# KiCad board Right.kicad_pcb (continued)
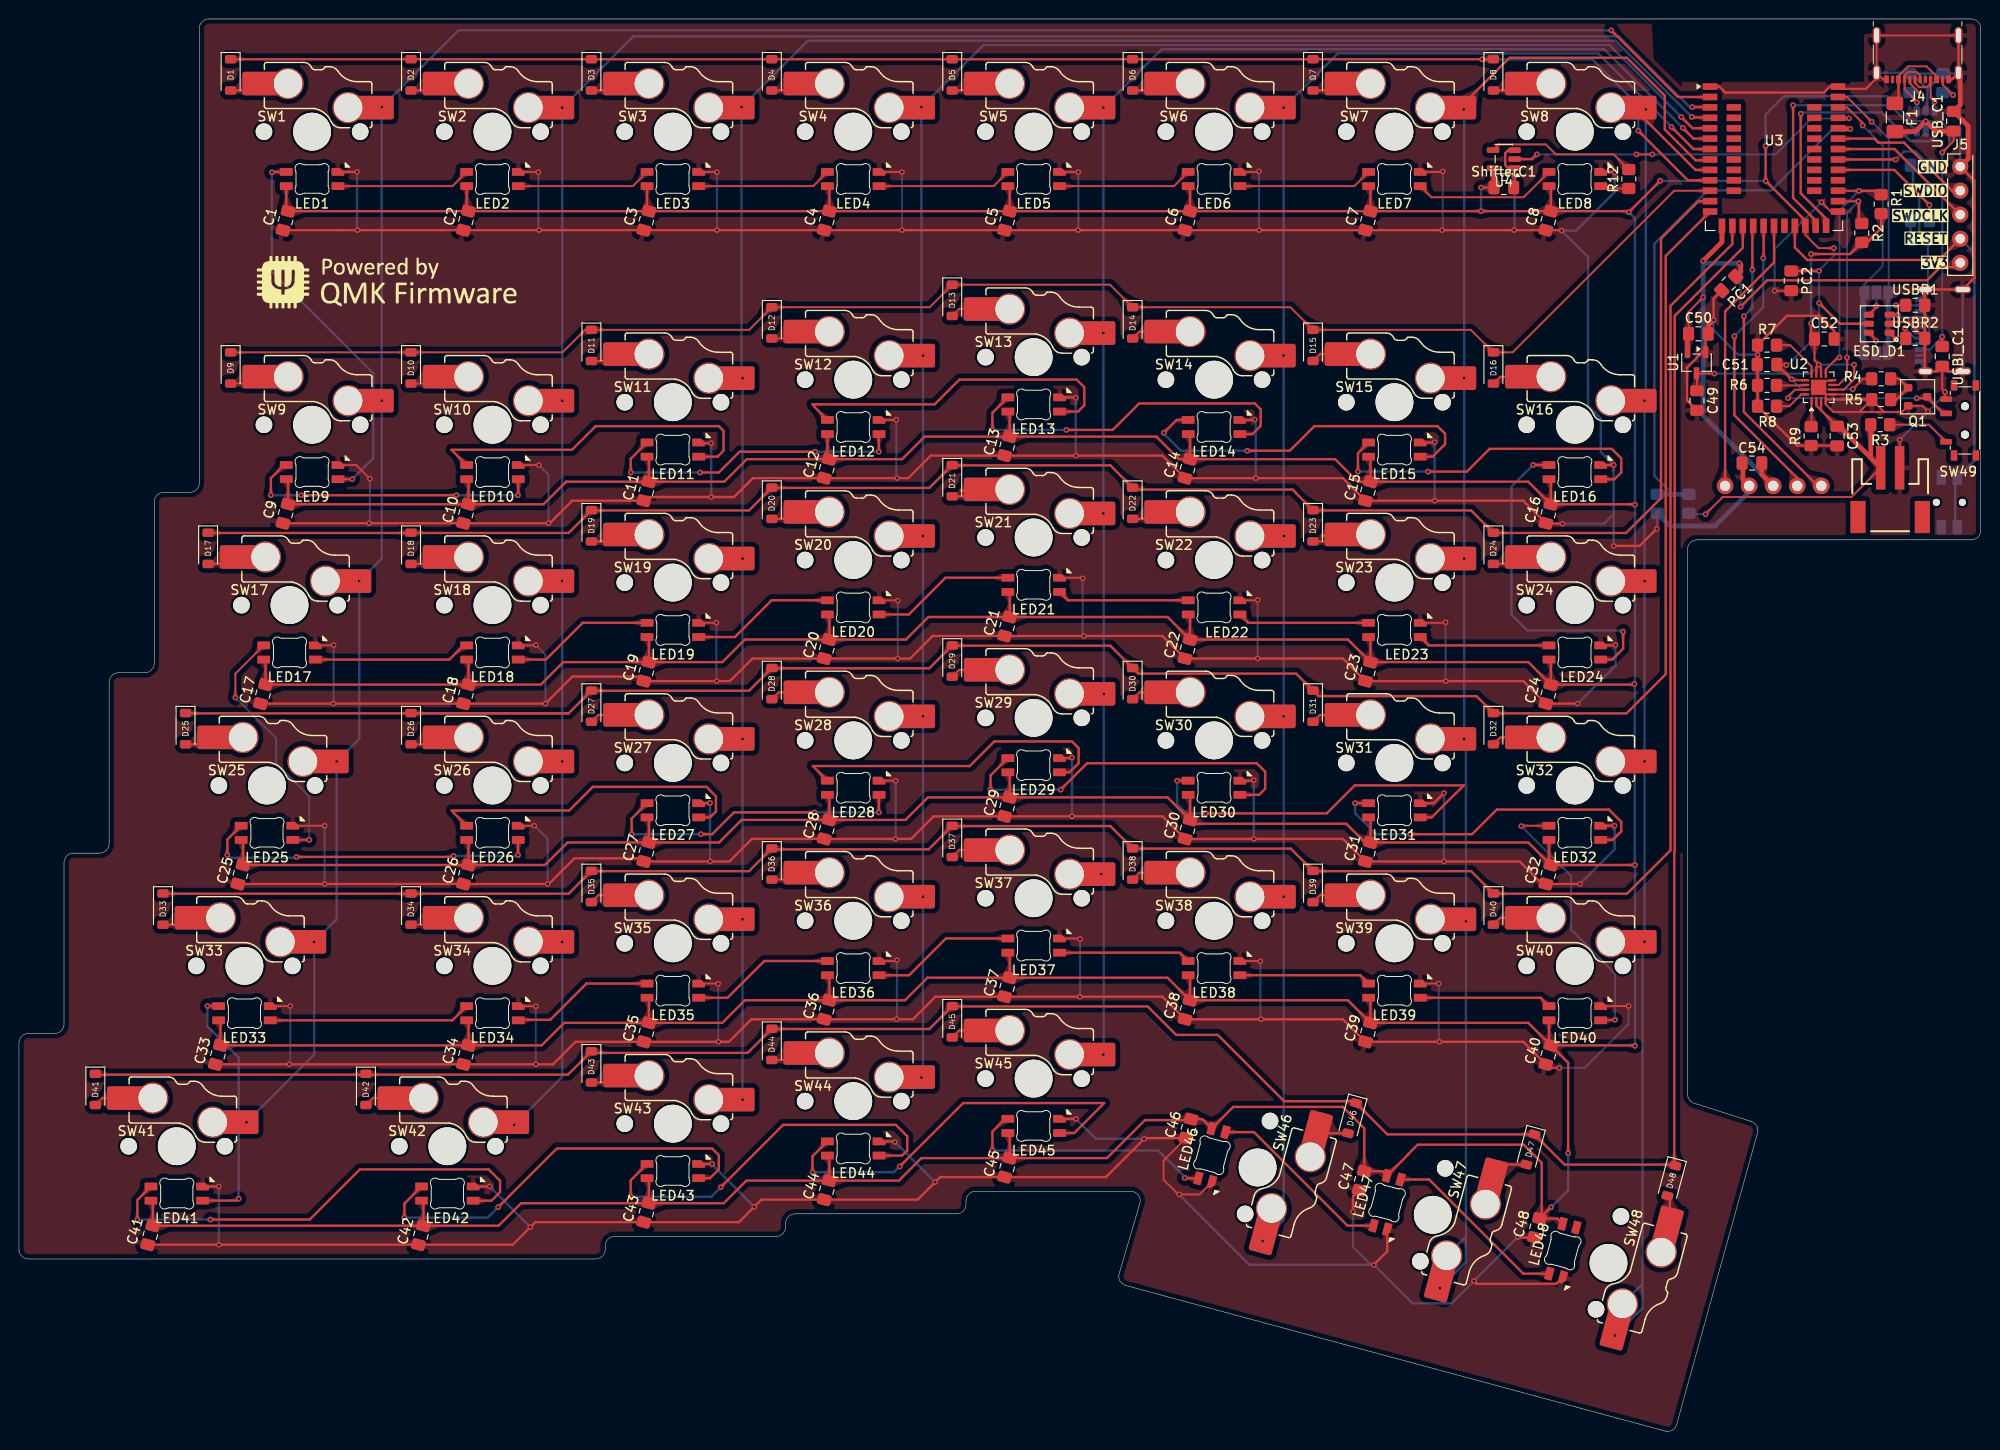
[diagram p0: board, top side]
## Library data of the parts
B_LED1 = -: Description: Blue SMD LED, 0603, Alternate KiCad Library; ki_fp_filters: LED* LED_SMD:* LED_THT:*
C1-C48 C51-C54 ShifterC1 USBI_C1 = -: Description: Unpolarized capacitor; ki_fp_filters: C_*
C49 C50 PC1 PC2 = -: Notes: X7R, 10%; ki_fp_filters: C_*
D1-D48 = -: Description: Diode; Sim.Pins: 1=K 2=A; ki_fp_filters: TO-???* *_Diode_* *SingleDiode* D_*
ESD_D1 ESD_D2 = -: Datasheet: https://www.tme.eu/Document/db59d28d28a96c34f26d05f234ff409c/USBLC6-2.pdf; Description: SOT-23-6 TVS Diode Array, 2 protected lines, positive connection, 5.25V, Alternate KiCAD Library; ki_fp_filters: TO-???* *_Diode_* *SingleDiode* D_*
F1 = -: LCSC: C135341; ki_fp_filters: *polyfuse* *PTC*
G_LED1 = -: Description: Green SMD LED, 0603, Alternate KiCad Library; ki_fp_filters: LED* LED_SMD:* LED_THT:*
J1 J4 = -: Datasheet: https://www.usb.org/sites/default/files/documents/usb_type-c.zip; Description: USB 2.0-only 16P Type-C Receptacle connector; ki_fp_filters: USB*C*Receptacle*
J3 = -: Description: 2 Pin 2mm JST Battery Connector; PROD_ID: CONN-11443; ki_fp_filters: Connector*:*_1x??_*
J5 = -: Description: Male connector, single row; ki_fp_filters: *PinHeader*1x05*
JP1 JP2 = -: Description: Solder Jumper, 3-pole, open; ki_fp_filters: SolderJumper*Open*
LED1-LED48 = -: Description: Reverse mount adressable LED (WS2812 protocol)
OLED1 = -: Datasheet: https://nicekeyboards.com/docs/nice-view/pinout-schematic; Description: Sharp LS011B7DH03 Memory in Pixel 160x68; ki_fp_filters: nice*
Q1 = -: Datasheet: https://www.tme.eu/Document/7df5cae36abdfcedddb681f5be886f05/2N7000.pdf; Description: SOT-23 N-MOSFET enchancement mode transistor, 60V, 115mA, 200mW, Alternate KiCAD Library
R1-R15 R17 USBR1 USBR2 = -: Description: Resistor; ki_fp_filters: R_*
Reset_Btn1 = -: Aliexpress: https://www.aliexpress.com/item/1005005453787620.html?spm=a2g0o.productlist.main.1.11d71ae5j97qJo&algo_pvid=568eff6e-180e-4b37-958c-7c0a3b0f84d9&algo_exp_id=568eff6e-180e-4b37-958c-7c0a3b0f84d9-0&pdp_npi=4%40dis%21BRL%2110.94%219.89%21%21%2113.03%2111.78%21%402103273e17319427737965163e3c62%2112000038111003831%21sea%21BR%214340077984%21X&curPageLogUid=5a6rqzQqwGi2&utparam-url=scene%3Asearch%7Cquery_from%3A; LCSC: C79175
SW1-SW45 SW47 = -: Description: Push button switch, normally open, two pins, 45° tilted
SW49 = -: Description: Switch, single pole double throw
U1 = -: Datasheet: https://www.torexsemi.com/file/xc6206/XC6206.pdf; Description: Positive 60-250mA Low Dropout Regulator, Fixed Output, SOT-23; ki_fp_filters: SOT?23?3*
U2 = -: Datasheet: http://www.ti.com/lit/ds/symlink/bq24075.pdf; Description: USB-Friendly Li-Ion Battery Charger and Power-Path Management, VQFN-16; ki_fp_filters: VQFN*1EP*3x3mm*P0.5mm*
U3 = -: Datasheet: http://www.holyiot.com/tp/2019042516322180424.pdf; Description: nRF52840 BT LE module
U4 = -: Datasheet: https://www.ti.com/lit/ds/symlink/sn74lv1t125.pdf; Description: Single Power Supply, Single Buffer Gate with 3-State Output, CMOS Logic Level Shifter Level Shifter, SOT-23-5; ki_fp_filters: SOT?23*
USB_C1 = -: LCSC: C307331; ki_fp_filters: C_*

## Footprints (pads in the part's own frame, mm; a bottom-side part is the same pattern mirrored in y, then rotated)
C_0805_2012Metric_Pad1.18x1.45mm_HandSolder
  rrect 1.175x1.45 smd: 1(-1.038,0) 2(1.038,0)
D_SOD-123
  rrect 0.9x1.2 smd: 1(-1.65,0) 2(1.65,0)
Fuse_1206_3216Metric_Pad1.42x1.75mm_HandSolder
  rrect 1.425x1.75 smd: 1(-1.488,0) 2(1.488,0)
JST_1x02_P2.0mm_Horizontal_SMD
  rect 1x4.6 smd: 1(-1,-3.7) 2(1,-3.7)
  rect 1.6x3.4 smd: NC1(-3.4,1.5) NC2(3.4,1.5)
LED_0603_1608Metric
  rrect 0.875x0.95 smd: 1(-0.787,0) 2(0.787,0)
LED_MX_6028R-ROT
  rrect 1.35x0.82 smd: 1(-2.725,-0.75) 2(-2.725,0.75) 3(2.725,-0.75) 4(2.725,0.75)
LED_MX_6028R-ROT#2
  rrect 1.35x0.82 smd: 1(-2.725,-0.75) 2(-2.725,0.75) 3(2.725,-0.75) 4(2.725,0.75)
nice_view
  round 1.753 hole 1.092: 1(-5.08,-16.51) 2(-2.54,-16.51) 3(0,-16.51) 4(2.54,-16.51) 5(5.08,-16.51)
nRF52840_holyiot_18010
  rect 1.524x0.7 smd: 1(-6.75,5.7) 2(-6.75,4.6) 3(-6.75,3.5) 4(-6.75,2.4) 5(-6.75,1.3) 6(-6.75,0.2) 7(-6.75,-0.9) 8(-6.75,-2) 9(-6.75,-3.1) 10(-6.75,-4.2) 11(-6.75,-5.3) 12(-6.75,-6.4) 13(-6.75,-7.5) 25(6.75,-7.5) 26(6.75,-6.4) 27(6.75,-5.3) 28(6.75,-4.2) 29(6.75,-3.1) 30(6.75,-2) 31(6.75,-0.9) 32(6.75,0.2) 33(6.75,1.3) 34(6.75,2.4) 35(6.75,3.5) 36(6.75,4.6) 37(6.75,5.7) 38(-4.25,3.5) 39(-4.25,2.4) 40(-4.25,1.3) 41(-4.25,0.2) 42(-4.25,-0.9) 43(-4.25,-2) 44(-4.25,-3.1) 45(-4.25,-4.2) 46(-4.25,-5.3) 47(4.25,3.5) 48(4.25,2.4) 49(4.25,1.3) 50(4.25,0.2) 51(4.25,-0.9) 52(4.25,-2) 53(4.25,-3.1) 54(4.25,-4.2) 55(4.25,-5.3)
  rect 0.7x1.524 smd: 14(-5.5,-9) 15(-4.4,-9) 16(-3.3,-9) 17(-2.2,-9) 18(-1.1,-9) 19(0,-9) 20(1.1,-9) 21(2.2,-9) 22(3.3,-9) 23(4.4,-9) 24(5.5,-9)
Panasonic_EVQPUL_EVQPUC
  round 0.75 hole 0.75 unplated: (0,-1.375) (0,1.375)
  rect 1.55x1 smd: 1(-2.625,0.85) 1(2.625,0.85) 2(-2.625,-0.85) 2(2.625,-0.85)
PinHeader_01x05_P2.54mm_Vertical_THT_D1mm
  round 1.7 hole 1: 1(0,0)
  oval 1.7x1.7 hole 1: 2(0,-2.54) 3(0,-5.08) 4(0,-7.62) 5(0,-10.16)
R_0805_2012Metric_Pad1.20x1.40mm_HandSolder
  rrect 1.2x1.4 smd: 1(-1,0) 2(1,0)
SolderJumper-3_P1.3mm_Open_RoundedPad1.0x1.5mm_NumberLabels
  custom 1.05x1.5 smd: 1(-1.3,0) 3(1.3,0)
  rect 1x1.5 smd: 2(0,0)
SOT-23
  rrect 0.9x0.8 smd: 1(-1,0.95) 2(-1,-0.95) 3(1,0)
SOT-23-3
  rrect 1.325x0.6 smd: 1(-1.137,0.95) 2(-1.137,-0.95) 3(1.137,0)
SOT-23-5
  rrect 1.325x0.6 smd: 1(-1.137,0.95) 2(-1.137,0) 3(-1.137,-0.95) 4(1.137,-0.95) 5(1.137,0.95)
SOT-23-6
  rrect 1.06x0.65 smd: 1(-1.1,0.95) 2(-1.1,0) 3(-1.1,-0.95) 4(1.1,-0.95) 5(1.1,0) 6(1.1,0.95)
SOT-23-6#2
  rrect 1.06x0.65 smd: 1(-1.1,0.95) 2(-1.1,0) 3(-1.1,-0.95) 4(1.1,-0.95) 5(1.1,0) 6(1.1,0.95)
SW_MSK12C02-HB
  round 0.85 hole 0.85 unplated: (-1.5,0) (1.5,0)
  rrect 0.6x1.25 smd: 1(2.25,-2) 2(-0.75,-2) 3(-2.25,-2)
  rrect 1.1x0.7 smd: MP(-3.7,-1.15) MP(-3.7,1.15) MP(3.7,-1.15) MP(3.7,1.15)
SW_MX_HS_KS-2P02B01-01_1.5u
  round 1.75 hole 1.75 unplated: (-5.08,0) (5.08,0)
  round 3.988 hole 3.988 unplated: (0,0)
  round 3.3 hole 3: 1(3.81,2.54) 2(-2.54,5.08)
  rect 1.65x2.5 smd: 1(5.635,2.54) 2(-4.34,5.08)
  rrect 2.55x2.5 smd: 1(7.36,2.54) 2(-6.09,5.08)
SW_MX_HS_KS-2P02B01-01_1.25u
  round 1.75 hole 1.75 unplated: (-5.08,0) (5.08,0)
  round 3.988 hole 3.988 unplated: (0,0)
  round 3.3 hole 3: 1(3.81,2.54) 2(-2.54,5.08)
  rect 1.65x2.5 smd: 1(5.635,2.54) 2(-4.34,5.08)
  rrect 2.55x2.5 smd: 1(7.36,2.54) 2(-6.09,5.08)
SW_MX_HS_KS-2P02B01-01_1.75u
  round 1.75 hole 1.75 unplated: (-5.08,0) (5.08,0)
  round 3.988 hole 3.988 unplated: (0,0)
  round 3.3 hole 3: 1(3.81,2.54) 2(-2.54,5.08)
  rect 1.65x2.5 smd: 1(5.635,2.54) 2(-4.34,5.08)
  rrect 2.55x2.5 smd: 1(7.36,2.54) 2(-6.09,5.08)
SW_MX_HS_KS-2P02B01-01_1u
  round 1.75 hole 1.75 unplated: (-5.08,0) (5.08,0)
  round 3.988 hole 3.988 unplated: (0,0)
  round 3.3 hole 3: 1(3.81,2.54) 2(-2.54,5.08)
  rect 1.65x2.5 smd: 1(5.635,2.54) 2(-4.34,5.08)
  rrect 2.55x2.5 smd: 1(7.36,2.54) 2(-6.09,5.08)
USB_C_Receptacle_HRO_TYPE-C-31-M-23
  rrect 0.52x0.8 smd: A1(-3.28,2.425) A4(-2.01,2.425) A9(2.01,2.425) A12(3.28,2.425) B1(3.28,2.425) B4(2.01,2.425) B9(-2.01,2.425) B12(-3.28,2.425)
  rrect 0.35x0.8 smd: A5(-2.645,2.425) A6(-1.375,2.425) A7(1.375,2.425) A8(2.645,2.425) B5(0.825,2.425) B6(0.275,2.425) B7(-0.275,2.425) B8(-0.825,2.425)
  oval 0.8x1.8 hole 0.5x1.5: S1(-4.325,-2.215) S1(4.325,-2.215)
  oval 0.8x1.6 hole 0.5x1.3: S1(-4.325,1.725) S1(4.325,1.725)
VQFN-16-1EP_3x3mm_P0.5mm_EP1.6x1.6mm
  rrect 0.64x0.64 smd: (-0.4,0.4) (-0.4,-0.4) (0.4,0.4) (0.4,-0.4)
  rrect 0.875x0.25 smd: 1(-1.438,0.75) 2(-1.438,0.25) 3(-1.438,-0.25) 4(-1.438,-0.75) 9(1.438,-0.75) 10(1.438,-0.25) 11(1.438,0.25) 12(1.438,0.75)
  rrect 0.25x0.875 smd: 5(-0.75,-1.438) 6(-0.25,-1.438) 7(0.25,-1.438) 8(0.75,-1.438) 13(0.75,1.438) 14(0.25,1.438) 15(-0.25,1.438) 16(-0.75,1.438)
  rect 1.6x1.6 smd: 17(0,0)

## Nets
+3.3V: C50.1 C54.1 J5.5 OLED1.3 PC1.1 U1.2 U3.14
+5V: C1.2 C2.2 C3.2 C4.2 C5.2 C6.2 C7.2 C8.2 C9.2 C10.2 C11.2 C12.2 C13.2 C14.2 C15.2 C16.2 C17.2 C18.2 C19.2 C20.2 C21.2 C22.2 C23.2 C24.2 C25.2 C26.2 C27.2 C28.2 C29.2 C30.2 C31.2 C32.2 C33.2 C34.2 C35.2 C36.2 C37.2 C38.2 C39.2 C40.2 C41.2 C42.2 C43.2 C44.2 C45.2 C46.2 C47.2 C48.2 C51.1 ESD_D1.5 ESD_D2.5 F1.2 J1.A4 J1.A9 J1.B4 J1.B9 LED1.1 LED2.1 LED3.1 LED4.1 LED5.1 LED6.1 LED7.1 LED8.1 LED9.1 LED10.1 LED11.1 LED12.1 LED13.1 LED14.1 LED15.1 LED16.1 LED17.1 LED18.1 LED19.1 LED20.1 LED21.1 LED22.1 LED23.1 LED24.1 LED25.1 LED26.1 LED27.1 LED28.1 LED29.1 LED30.1 LED31.1 LED32.1 LED33.1 LED34.1 LED35.1 LED36.1 LED37.1 LED38.1 LED39.1 LED40.1 LED41.1 LED42.1 LED43.1 LED44.1 LED45.1 LED46.1 LED47.1 LED48.1 PC2.1 R4.2 ShifterC1.1 U2.13 U3.22 U4.5 USB_C1.1 USBI_C1.1
GND: B_LED1.1 C1.1 C2.1 C3.1 C4.1 C5.1 C6.1 C7.1 C8.1 C9.1 C10.1 C11.1 C12.1 C13.1 C14.1 C15.1 C16.1 C17.1 C18.1 C19.1 C20.1 C21.1 C22.1 C23.1 C24.1 C25.1 C26.1 C27.1 C28.1 C29.1 C30.1 C31.1 C32.1 C33.1 C34.1 C35.1 C36.1 C37.1 C38.1 C39.1 C40.1 C41.1 C42.1 C43.1 C44.1 C45.1 C46.1 C47.1 C48.1 C49.2 C50.2 C51.2 C52.2 C53.2 C54.2 ESD_D1.2 ESD_D2.2 G_LED1.1 J1.A1 J1.A12 J1.B1 J1.B12 J1.S1 J3.1 J4.A1 J4.A12 J4.B1 J4.B12 J4.S1 J5.1 LED1.4 LED2.4 LED3.4 LED4.4 LED5.4 LED6.4 LED7.4 LED8.4 LED9.4 LED10.4 LED11.4 LED12.4 LED13.4 LED14.4 LED15.4 LED16.4 LED17.4 LED18.4 LED19.4 LED20.4 LED21.4 LED22.4 LED23.4 LED24.4 LED25.4 LED26.4 LED27.4 LED28.4 LED29.4 LED30.4 LED31.4 LED32.4 LED33.4 LED34.4 LED35.4 LED36.4 LED37.4 LED38.4 LED39.4 LED40.4 LED41.4 LED42.4 LED43.4 LED44.4 LED45.4 LED46.4 LED47.4 LED48.4 OLED1.4 PC1.2 PC2.2 Q1.2 R5.1 R6.1 R7.1 R8.1 R9.1 R11.2 R13.2 R14.2 Reset_Btn1.2 ShifterC1.2 SW49.3 U1.1 U2.4 U2.5 U2.8 U2.17 U3.1 U3.25 U3.37 U4.1 U4.3 USB_C1.2 USBI_C1.2 USBR1.2 USBR2.2
+BATT: C53.1 J3.2 R3.2 R10.1 U2.2 U2.3
+VSW: C49.1 C52.1 R1.2 R2.2 U1.3 U2.6 U2.10 U2.11
BLUE_LED: R15.1 U3.30
BT_CHG: R1.1 U2.9 U3.27
BT_PGOOD: R2.1 U2.7 U3.26
CS: OLED1.5 U3.19
D+: ESD_D2.4 U3.24
D-: ESD_D2.6 U3.23
GREEN_LED: R17.1 U3.29
LINK+: ESD_D1.4 JP2.2
LINK-: ESD_D1.6 JP1.2
MOSI: OLED1.1 U3.17
R_COL1: SW8.1 SW16.1 SW24.1 SW32.1 SW40.1 SW48.1 U3.9
R_COL2: SW7.1 SW15.1 SW23.1 SW31.1 SW39.1 SW47.1 U3.8
R_COL3: SW6.1 SW14.1 SW22.1 SW30.1 SW38.1 SW46.1 U3.7
R_COL4: SW5.1 SW13.1 SW21.1 SW29.1 SW37.1 SW45.1 U3.6
R_COL5: SW4.1 SW12.1 SW20.1 SW28.1 SW36.1 SW44.1 U3.5
R_COL6: SW3.1 SW11.1 SW19.1 SW27.1 SW35.1 SW43.1 U3.4
R_COL7: SW2.1 SW10.1 SW18.1 SW26.1 SW34.1 SW42.1 U3.3
R_COL8: SW1.1 SW9.1 SW17.1 SW25.1 SW33.1 SW41.1 U3.2
R_LED1: LED8.3 R12.1
R_LED_3v3_1: U3.34 U4.2
R_ROW1: D1.1 D2.1 D3.1 D4.1 D5.1 D6.1 D7.1 D8.1 U3.10
R_ROW2: D9.1 D10.1 D11.1 D12.1 D13.1 D14.1 D15.1 D16.1 U3.11
R_ROW3: D17.1 D18.1 D19.1 D20.1 D21.1 D22.1 D23.1 D24.1 U3.12
R_ROW4: D25.1 D26.1 D27.1 D28.1 D29.1 D30.1 D31.1 D32.1 U3.13
R_ROW5: D33.1 D34.1 D35.1 D36.1 D37.1 D38.1 D39.1 D40.1 U3.15
R_ROW6: D41.1 D42.1 D43.1 D44.1 D45.1 D46.1 D47.1 D48.1 U3.16
RESET: J5.4 Reset_Btn1.1 U3.21
SCK: OLED1.2 U3.18
SWDCLK: J5.3 U3.31
SWDIO: J5.2 U3.32
SYS_OFF: Q1.3 SW49.2 U2.15
USART_RX: JP1.1 JP2.1 U3.36
USART_TX: JP1.3 JP2.3 U3.35
VSENSE: R10.2 R11.1 U3.33
Net-(B_LED1-A): B_LED1.2 R15.2
Net-(D1-A): D1.2 SW1.2
Net-(D2-A): D2.2 SW2.2
Net-(D3-A): D3.2 SW3.2
Net-(D4-A): D4.2 SW4.2
Net-(D5-A): D5.2 SW5.2
Net-(D6-A): D6.2 SW6.2
Net-(D7-A): D7.2 SW7.2
Net-(D8-A): D8.2 SW8.2
Net-(D9-A): D9.2 SW9.2
Net-(D10-A): D10.2 SW10.2
Net-(D11-A): D11.2 SW11.2
Net-(D12-A): D12.2 SW12.2
Net-(D13-A): D13.2 SW13.2
Net-(D14-A): D14.2 SW14.2
Net-(D15-A): D15.2 SW15.2
Net-(D16-A): D16.2 SW16.2
Net-(D17-A): D17.2 SW17.2
Net-(D18-A): D18.2 SW18.2
Net-(D19-A): D19.2 SW19.2
Net-(D20-A): D20.2 SW20.2
Net-(D21-A): D21.2 SW21.2
Net-(D22-A): D22.2 SW22.2
Net-(D23-A): D23.2 SW23.2
Net-(D24-A): D24.2 SW24.2
Net-(D25-A): D25.2 SW25.2
Net-(D26-A): D26.2 SW26.2
Net-(D27-A): D27.2 SW27.2
Net-(D28-A): D28.2 SW28.2
Net-(D29-A): D29.2 SW29.2
Net-(D30-A): D30.2 SW30.2
Net-(D31-A): D31.2 SW31.2
Net-(D32-A): D32.2 SW32.2
Net-(D33-A): D33.2 SW33.2
Net-(D34-A): D34.2 SW34.2
Net-(D35-A): D35.2 SW35.2
Net-(D36-A): D36.2 SW36.2
Net-(D37-A): D37.2 SW37.2
Net-(D38-A): D38.2 SW38.2
Net-(D39-A): D39.2 SW39.2
Net-(D40-A): D40.2 SW40.2
Net-(D41-A): D41.2 SW41.2
Net-(D42-A): D42.2 SW42.2
Net-(D43-A): D43.2 SW43.2
Net-(D44-A): D44.2 SW44.2
Net-(D45-A): D45.2 SW45.2
Net-(D46-A): D46.2 SW46.2
Net-(D47-A): D47.2 SW47.2
Net-(D48-A): D48.2 SW48.2
Net-(ESD_D1-L1-Pad1): ESD_D1.1 J1.A7 J1.B7
Net-(ESD_D1-L2-Pad3): ESD_D1.3 J1.A6 J1.B6
Net-(ESD_D2-L1-Pad1): ESD_D2.1 J4.A7 J4.B7
Net-(ESD_D2-L2-Pad3): ESD_D2.3 J4.A6 J4.B6
Net-(F1-Pad1): F1.1 J4.A4 J4.A9 J4.B4 J4.B9
Net-(G_LED1-A): G_LED1.2 R17.2
Net-(J1-CC1): J1.A5 USBR1.1
Net-(J1-CC2): J1.B5 USBR2.1
Net-(J4-CC1): J4.A5 R13.1
Net-(J4-CC2): J4.B5 R14.1
Net-(LED1-DIN): LED1.3 LED2.2
Net-(LED1-DOUT): LED1.2 LED9.3
Net-(LED2-DIN): LED2.3 LED3.2
Net-(LED3-DIN): LED3.3 LED4.2
Net-(LED4-DIN): LED4.3 LED5.2
Net-(LED5-DIN): LED5.3 LED6.2
Net-(LED6-DIN): LED6.3 LED7.2
Net-(LED7-DIN): LED7.3 LED8.2
Net-(LED10-DIN): LED9.2 LED10.3
Net-(LED10-DOUT): LED10.2 LED11.3
Net-(LED11-DOUT): LED11.2 LED12.3
Net-(LED12-DOUT): LED12.2 LED13.3
Net-(LED13-DOUT): LED13.2 LED14.3
Net-(LED14-DOUT): LED14.2 LED15.3
Net-(LED15-DOUT): LED15.2 LED16.3
Net-(LED16-DOUT): LED16.2 LED24.3
Net-(LED17-DIN): LED17.3 LED18.2
Net-(LED17-DOUT): LED17.2 LED25.3
Net-(LED18-DIN): LED18.3 LED19.2
Net-(LED19-DIN): LED19.3 LED20.2
Net-(LED20-DIN): LED20.3 LED21.2
Net-(LED21-DIN): LED21.3 LED22.2
Net-(LED22-DIN): LED22.3 LED23.2
Net-(LED23-DIN): LED23.3 LED24.2
Net-(LED25-DOUT): LED25.2 LED26.3
Net-(LED26-DOUT): LED26.2 LED27.3
Net-(LED27-DOUT): LED27.2 LED28.3
Net-(LED28-DOUT): LED28.2 LED29.3
Net-(LED29-DOUT): LED29.2 LED30.3
Net-(LED30-DOUT): LED30.2 LED31.3
Net-(LED31-DOUT): LED31.2 LED32.3
Net-(LED32-DOUT): LED32.2 LED40.3
Net-(LED33-DIN): LED33.3 LED34.2
Net-(LED33-DOUT): LED33.2 LED41.3
Net-(LED34-DIN): LED34.3 LED35.2
Net-(LED35-DIN): LED35.3 LED36.2
Net-(LED36-DIN): LED36.3 LED37.2
Net-(LED37-DIN): LED37.3 LED38.2
Net-(LED38-DIN): LED38.3 LED39.2
Net-(LED39-DIN): LED39.3 LED40.2
Net-(LED41-DOUT): LED41.2 LED42.3
Net-(LED42-DOUT): LED42.2 LED43.3
Net-(LED43-DOUT): LED43.2 LED44.3
Net-(LED44-DOUT): LED44.2 LED45.3
Net-(LED45-DOUT): LED45.2 LED46.3
Net-(LED46-DOUT): LED46.2 LED47.3
Net-(LED47-DOUT): LED47.2 LED48.3
Net-(Q1-G): Q1.1 R4.1 R5.2
Net-(SW49-A): R3.1 SW49.1
Net-(U2-ILIM): R7.2 U2.12
Net-(U2-ISET): R8.2 U2.16
Net-(U2-TMR): R6.2 U2.14
Net-(U2-TS): R9.2 U2.1
Net-(U4-Y): R12.2 U4.4

Pads without a net: J1 A8 B8; J3 NC1 NC2; J4 A8 B8; LED48 2; SW49 MP; U3 20 28 38 39 40 41 42 43 44 45 46 47 48 49 50 51 52 53 54 55

## Via types
v1: diameter 0.6, hole 0.3, Top to Bottom, 272 vias

## Routing (per net, layer and track width the routed paths; a pad name or vN(x,y) marks a point on that pad's centre or on a via; arc(x,y) is an arc through that point)
+3.3V: length 76.2
  Top w0.2: C50.1 176.32,118.2 v1(177.86,119.74)
  Top w0.25: J5.5 204.56,122.94 202.91,122.94 201.51,121.54 184.61,121.54 v1(181.81,118.74)
  Top w0.5: U3.14 179.84,125.58 v1(177.86,123.59) ; OLED1.3 184.04,101.04 C54.1 ; U1.2 176.21,115.78 C50.1 ; v1(181.68,123.34) 181.83,123.19 181.83,122.47 PC1.1
  Bottom w0.2: 177.81,123.54 v1(177.86,123.59) ; 185.26,99.84 OLED1.3
  Bottom w0.25: v1(181.81,118.74) 181.81,123.17 181.68,123.29 v1(181.68,123.34)
  Bottom w0.5: 185.26,99.84 177.86,107.24 v1(177.86,119.74) v1(177.86,123.59) 178.11,123.34 v1(181.68,123.34)
+5V: length 1293.2
  Top w0.2: 155.36,133.39 U4.5 ; R4.2 194.76,111.14 v1(193.66,110.04) ; C51.1 186.61,112.64 v1(186.66,112.59) ; C51.1 187.29,110.99 ; C51.1 v1(187.2,111.08) 187.29,110.99 ; v1(203.11,135.04) 204.31,136.24 USB_C1.1 ; 187.29,110.99 U2.13 ; U3.22 188.64,126.34 190.04,124.94 v1(191.66,124.94)
  Top w0.25: C23.2 140.34,83.6 C22.2 ; C23.2 142.72,83.67 LED23.1 ; C23.2 159.39,81.22 C24.2 ; C19.2 74.28,81.22 76.66,83.6 C20.2 ; C19.2 57.48,81.22 55.1,78.84 C18.2 ; C19.2 66.52,83.67 LED19.1 ; v1(190.11,122.54) 190.09,122.53 PC2.1 ; C34.2 55.2,40.74 57.58,43.12 C35.2 ; C34.2 47.47,43.19 LED34.1 ; C34.2 C33.2 21.28,43.19 LED33.1 ; C15.2 141.38,100.27 139,102.65 C14.2 ; C15.2 159.39,100.27 C16.2 ; C15.2 142.72,102.72 LED15.1 ; C39.2 140.34,45.5 C38.2 ; C39.2 159.39,43.12 C40.2 ; C39.2 142.72,45.57 LED39.1 ; C42.2 42.71,24.14 LED42.1 ; C42.2 C41.2 14.14,24.14 LED41.1 ; C42.2 50.65,21.69 53.03,24.07 C43.2 ; LED38.1 123.67,47.95 C38.2 ; LED3.1 66.33,129.04 C3.2 ; C22.2 123.67,86.05 LED22.1 ; C22.2 121.29,85.98 C21.2 ; LED29.1 104.62,69.39 C29.2 ; C31.2 142.72,64.62 LED31.1 ; C31.2 159.39,62.17 C32.2 ; C31.2 142.15,62.17 140.18,64.14 124.08,64.14 C30.2 ; LED12.1 85.38,103.07 85.57,102.87 C12.2 ; 123.6,32.94 C46.2 124.98,32.94 LED46.1 128.23,34.24 139.81,34.24 142.07,31.97 C47.2 143.98,27.44 LED47.1 146.74,29.24 146.74,29.27 147.71,30.24 158.91,30.24 160.81,28.34 160.81,22.67 C48.2 ; LED48.1 162.46,22.44 C48.2 ; LED4.1 85.57,131.3 C4.2 ; C35.2 74.28,43.12 76.66,45.5 C36.2 ; C35.2 66.52,45.57 LED35.1 ; C16.2 170.61,97.89 v1(170.66,97.84) ; C16.2 161.77,100.34 LED16.1 ; ShifterC1.1 v1(154.41,131.34) ; C36.2 85.57,47.95 LED36.1 ; C36.2 93.56,45.5 95.95,47.88 C37.2 ; C28.2 93.61,64.55 96,66.93 C29.2 ; C28.2 76.31,64.55 73.93,62.17 C27.2 ; C28.2 85.57,67 LED28.1 ; C45.2 114.9,28.83 118.9,32.84 123.54,32.84 ; C45.2 104.62,31.29 LED45.1 ; C45.2 95.3,28.83 92.91,26.45 C44.2 ; C44.2 85.57,28.9 LED44.1 ; C44.2 76.81,26.45 74.43,24.07 C43.2 ; v1(184.46,135.74) v1(184.46,132.04) 188.64,127.85 U3.22 188.81,127.14 ; LED43.1 66.52,26.52 C43.2 ; C10.2 47.47,100.34 LED10.1 ; C10.2 C9.2 28.42,100.34 LED9.1 ; C10.2 55.4,97.89 57.78,100.27 C11.2 ; C27.2 66.52,64.62 LED27.1 ; C27.2 57.93,62.17 55.55,59.79 C26.2 ; LED18.1 47.47,81.29 C18.2 ; LED24.1 161.77,81.29 C24.2 ; C18.2 C17.2 26.04,81.29 LED17.1 ; C21.2 104.62,88.44 LED21.1 ; C21.2 96.05,85.98 93.66,83.6 C20.2 ; v1(170.66,59.79) 170.41,59.79 170.4,59.79 C32.2 ; v1(170.61,78.89) 170.55,78.84 C24.2 ; C12.2 76.86,102.65 74.48,100.27 C11.2 ; C12.2 93.26,102.65 95.65,105.03 C13.2 ; C38.2 121.29,47.88 C37.2 ; C2.2 47.28,129.04 LED2.1 ; C11.2 66.52,102.72 LED11.1 ; LED40.1 161.58,40.93 C40.2 ; C30.2 123.67,67 LED30.1 ; C30.2 121.29,66.93 C29.2 ; C40.2 163.61,38.91 v1(163.61,29.34) ; C40.2 170.61,40.74 v1(170.66,40.69) ; USBI_C1.1 v1(203.11,115.59) ; v1(190.11,119.14) 192.29,116.95 ESD_D1.5 ; C48.2 161.77,23.64 v1(161.81,23.64) ; C8.2 161.77,131.3 LED8.1 ; C8.2 169.9,128.84 v1(170.01,128.74) v1(173.33,132.07) ; C8.2 v1(154.41,128.84) C1.2 28.23,129.04 LED1.1 ; C26.2 C25.2 23.66,62.24 LED25.1 ; C26.2 47.47,62.24 LED26.1 ; LED20.1 85.57,86.05 C20.2 ; C37.2 104.62,50.34 LED37.1 ; C6.2 123.67,131.3 LED6.1 ; C5.2 104.62,131.3 LED5.1 ; C13.2 120.12,105.03 122.5,102.65 C14.2 ; C13.2 104.62,107.49 ; C14.2 123.67,105.1 LED14.1 ; C32.2 161.58,59.98 LED32.1 ; LED7.1 142.72,131.3 C7.2
  Top w0.5: U4.5 155.77,133.29 ShifterC1.1 ; USB_C1.1 202.39,137.3 v1(201.36,138.34) 200.27,137.25 F1.2
  Bottom w0.2: 187.29,110.99 188.24,110.04 v1(193.66,110.04) ; v1(191.66,124.94) 191.66,124.14 190.11,122.59 v1(190.11,122.54) v1(190.11,119.14) 190.11,115.94 186.76,112.59 v1(186.66,112.59) ; ESD_D2.5 v1(201.36,138.34) 202.96,138.34 203.86,137.44 203.86,135.79 v1(203.11,135.04) v1(203.11,115.59) 203.11,115.54 201.81,114.24 J1.A9 200.96,114.24 201.73,115.01 201.73,117.56 201.03,118.26 J1.A4
  Bottom w0.25: v1(161.81,23.64) 163.61,25.44 v1(163.61,29.34) ; v1(170.66,40.69) v1(170.66,59.79) 170.66,60 170.64,60.02 170.64,78.86 v1(170.61,78.89) 170.66,78.94 v1(170.66,97.84) 170.66,128.09 v1(170.01,128.74) ; v1(184.46,132.04) 173.56,132.04 173.53,132.07 v1(173.33,132.07) ; v1(201.36,138.34) 199.94,138.34 197.29,140.99 186.41,140.99 184.46,139.04 v1(184.46,135.74) ; v1(154.41,131.34) v1(154.41,128.84)
GND: length 1610.8
  Top w0.2: v1(54.58,83.02) 54.55,82.98 LED18.4 ; LED40.4 168.83,44.88 168.83,44.89 v1(169.98,44.89) ; R5.1 194.36,107.64 ; R5.1 190.94,108.94 U2.4 ; R5.1 195.76,108.94 ; R5.1 196.96,107.64 ; R5.1 193.56,108.94 ; 194.36,107.64 196.96,107.64 ; 194.36,107.64 191.61,107.64 190.81,108.44 U2.4 ; LED12.4 92.64,106.8 v1(92.66,106.82) ; v1(185.41,120.44) 187.14,120.44 PC2.2 ; v1(54.91,102.02) 54.89,102.03 LED10.4 ; v1(73.71,132.97) 73.68,132.99 LED3.4 ; v1(130.81,87.79) 130.76,87.75 LED22.4 ; 157.84,133.29 U4.1 157.94,131.44 ShifterC1.2 ; C40.1 161.6,38.37 v1(162.68,38.37) ; v1(112.06,51.97) 111.99,52.03 LED37.4 ; 196.96,107.64 198.86,107.64 Q1.2 201.01,108.29 v1(201.61,107.69) ; v1(92.58,68.69) 92.57,68.7 LED28.4 ; LED5.4 111.86,132.99 v1(111.88,132.97) ; 193.56,108.94 193.01,109.49 U2.5 190.81,109.49 ; 193.56,108.94 192.04,108.94 ; 147.98,132.99 150.31,132.99 v1(150.36,133.04) ; 198.83,103.04 199.03,102.84 ; SW49.3 203.41,109.09 v1(203.41,109.74) 203.11,110.04 USBI_C1.2 ; 147.98,47.27 v1(149.93,47.27) ; LED19.4 73.63,85.37 v1(73.66,85.39) ; J4.S1 J4.S1 J4.S1 196.88,142.76 J4.A12 ; LED21.4 112.27,90.13 v1(112.33,90.07) ; LED20.4 92.78,87.75 v1(92.81,87.72) ; LED2.4 54.83,132.99 v1(54.86,132.97) ; LED26.4 54.43,63.93 v1(54.43,63.94) ; U2.4 190.81,109.49 ; v1(32.28,63.94) 32.27,63.93 LED25.4 ; LED4.4 93.23,132.99 v1(93.26,132.97) ; v1(190.36,129.79) 191.34,128.8 U3.25 ; LED34.4 54.56,44.88 v1(54.58,44.87) ; 190.81,109.49 U2.17 190.73,110.92 191.42,110.92 U2.8 ; v1(198.61,104.69) J3.1 ; v1(33.23,83.02) 33.2,82.98 LED17.4 ; 147.98,85.37 150.61,85.37 v1(150.66,85.42) ; v1(73.86,47.24) 73.83,47.27 LED35.4 ; LED36.4 92.61,49.65 v1(92.71,49.74) ; C46.1 120.88,28.58 120.88,26.54 122.43,24.99 124.68,24.99 LED46.4 ; v1(130.96,133.04) 130.91,132.99 LED6.4 ; LED38.4 131.08,49.65 v1(131.11,49.62) ; v1(28.66,44.89) 28.65,44.88 LED33.4 ; v1(37.06,100.59) 35.61,102.03 LED9.4 ; 31.19,63.94 31.19,63.93
  Top w0.25: v1(158.27,20.48) 158.31,20.44 C48.1 ; USBR2.2 201.26,112 J1.S1 202.57,111.93 USBI_C1.2 203.64,111.93 J1.S1 ; USBR2.2 199.52,117.14 197.74,117.14 ESD_D1.2 ; USBR2.2 USBR1.2 201.26,120.5 J1.S1 J1.S1 206.51,121.81 206.51,132.05 J5.1 ; v1(143.08,17.57) 144.5,18.98 LED47.4 ; v1(172.96,95.29) 171.16,93.49 v1(168.41,93.49) ; J4.S1 J4.S1 204.13,142.76 J4.A1 ; 128.81,132.84 128.68,132.97 128.68,132.99 ; v1(73.11,104.34) 72.16,104.34 72.08,104.42 LED11.4 ; 192.01,104.29 192.06,104.34 ; v1(162.91,126.79) 162.86,126.84 C8.1 v1(157.91,126.84) v1(150.31,126.84) v1(130.98,126.84) v1(111.86,126.84) v1(93.26,126.84) v1(73.71,126.84) v1(54.93,126.84) v1(35.76,126.84) C1.1 ; v1(130.51,106.84) 130.46,106.8 LED14.4 ; C46.1 118.9,30.94 v1(118.83,30.87) 114.79,26.83 C45.1 97.32,26.83 97.31,26.84 v1(96.76,26.29) 94.91,24.45 C44.1 78.41,24.45 v1(77.66,23.69) 76.03,22.06 C43.1 54.53,22.06 v1(54.01,21.54) 52.15,19.68 C42.1 v1(21.11,19.68) C41.1 ; v1(111.21,71.14) 111.14,71.08 LED29.4 ; 52.68,132.99 52.68,132.97 52.81,132.84 ; v1(149.51,104.44) 149.48,104.42 147.98,104.42 ; C50.2 178.11,115.6 U1.1 177.81,113.98 176.16,112.33 176.16,108.85 C49.2 ; v1(21.11,25.84) 21.1,25.83 LED41.4 ; C47.1 140.88,24.78 v1(140.88,23.17) ; 147.98,66.32 149.41,66.32 v1(150.48,67.39) ; v1(92.51,30.54) 92.45,30.6 LED44.4 ; LED24.4 168.55,82.98 v1(168.61,83.04) ; v1(164.6,76.83) C24.1 158.86,79.21 v1(150.68,79.21) C23.1 139.81,81.6 v1(130.81,81.6) C22.1 120.76,83.98 v1(112.46,83.98) C21.1 96.49,83.98 94.11,81.6 v1(92.81,81.6) C20.1 77.46,81.6 75.08,79.21 v1(73.68,79.21) C19.1 65.51,79.69 58.46,79.69 v1(55.6,76.83) C18.1 v1(33.21,76.83) C17.1 ; v1(49.71,25.84) 49.7,25.83 LED42.4 ; 147.68,132.99 147.68,132.97 147.81,132.84 ; U3.1 179.57,142 180.21,141.37 190.61,141.37 191.24,142 U3.37 192.33,141.77 195.05,141.77 196.18,142.9 J4.S1 ; 109.81,132.84 109.68,132.97 109.68,132.99 ; U4.3 157.28,135.29 156.96,134.97 156.96,133.72 157.28,133.39 U4.1 ; v1(163.01,95.84) 161.28,95.84 C16.1 158.86,98.26 v1(149.51,98.26) C15.1 139.81,100.65 v1(130.61,100.65) C14.1 120.76,103.03 v1(111.61,103.03) C13.1 96.29,103.03 93.91,100.65 v1(92.73,100.65) C12.1 77.51,100.65 75.52,98.65 v1(73.11,98.65) 66.38,98.65 C11.1 58.43,98.26 56.05,95.88 v1(55.93,95.88) C10.1 v1(36.98,95.88) C9.1 ; LED27.4 72.96,66.32 v1(72.98,66.34) ; LED48.4 162.37,15.56 153.94,15.56 v1(153.64,15.85) ; C52.2 191.69,116.18 190.08,117.79 186.71,117.79 R7.1 v1(183.61,113.69) R8.1 187.76,104.09 R9.1 191.97,104.09 C53.2 ; v1(130.41,68.74) 130.36,68.7 LED30.4 ; v1(178.96,117.34) 178.96,119.59 PC1.2 ; v1(111.63,32.97) 111.62,32.98 LED45.4 ; v1(164.85,57.78) C32.1 160.86,57.78 158.48,60.16 v1(150.48,60.16) C31.1 139.81,62.55 v1(130.41,62.55) C30.1 120.76,64.93 v1(111.21,64.93) C29.1 96.59,64.93 94.21,62.55 v1(92.56,62.55) C28.1 77.41,62.55 75.03,60.16 v1(73.01,60.16) C27.1 65.66,60.49 58.66,60.49 55.95,57.78 v1(55.83,57.78) C26.1 v1(32.28,57.78) C25.1 ; v1(111.61,109.14) 111.57,109.18 LED13.4 ; v1(168.41,102.04) 168.4,102.03 LED16.4 ; v1(73.21,28.22) LED43.4 ; 90.68,132.99 90.68,132.97 90.81,132.84 ; 33.81,132.84 33.68,132.97 LED1.4 35.68,132.99 v1(35.71,133.02) ; LED32.4 168.5,63.93 v1(168.51,63.94) ; 71.68,132.99 71.68,132.97 71.81,132.84 ; v1(168.51,132.94) 168.46,132.99 LED8.4 166.96,132.99 166.81,132.84 ; C40.1 158.86,41.11 v1(150.01,41.11) C39.1 139.81,43.5 v1(131.18,43.5) C38.1 120.76,45.88 v1(112.03,45.88) C37.1 96.79,45.88 94.41,43.5 v1(92.68,43.5) C36.1 77.36,43.5 74.98,41.11 v1(73.88,41.11) C35.1 58.78,41.11 56.4,38.73 v1(54.58,38.73) C34.1 v1(28.56,38.73) C33.1
  Top w0.5: OLED1.4 182.06,100.49 182.06,102.15 C54.2 ; v1(178.96,117.34) 178.39,116.78 C50.2 ; J5.1 205.86,134.4 205.86,137.83 USB_C1.2 205.01,140.08 205.01,143.28 J4.S1 ; PC1.2 179.72,120.46
  Bottom w0.2: v1(190.36,129.79) 185.41,124.84 v1(185.41,120.44) ; 200.68,126.55 G_LED1.1 201.59,120.84 J1.S1 201.33,120.23 J1.A1 ; v1(150.01,41.11) 149.93,41.19 v1(149.93,47.27) ; v1(198.61,104.69) v1(201.61,107.69) 203.41,109.49 v1(203.41,109.74) ; v1(92.66,106.82) 92.66,100.72 v1(92.73,100.65) ; v1(28.66,44.89) 28.66,38.83 v1(28.56,38.73) ; v1(112.46,83.98) 112.33,84.1 v1(112.33,90.07) ; v1(73.71,132.97) v1(73.71,126.84) ; v1(169.98,44.89) 169.98,42.99 165.36,38.37 v1(162.68,38.37) ; v1(73.68,79.21) 73.66,79.24 v1(73.66,85.39) ; v1(33.21,76.83) 33.23,76.86 v1(33.23,83.02) ; v1(131.18,43.5) 131.11,43.57 v1(131.11,49.62) ; v1(130.81,87.79) v1(130.81,81.6) ; v1(112.06,51.97) 112.06,45.9 v1(112.03,45.88) ; v1(92.68,43.5) 92.71,43.52 v1(92.71,49.74) ; v1(73.88,41.11) 73.86,41.14 v1(73.86,47.24) ; v1(55.6,76.83) 55.6,82 v1(54.58,83.02) ; v1(55.93,95.88) 55.93,100.99 v1(54.91,102.02) ; v1(54.58,44.87) v1(54.58,38.73) ; v1(111.88,132.97) 111.88,126.86 v1(111.86,126.84) ; v1(92.81,87.72) v1(92.81,81.6) ; v1(150.31,126.84) 150.36,126.89 v1(150.36,133.04) ; v1(36.98,95.88) 37.06,95.96 v1(37.06,100.59) ; v1(55.83,57.78) 55.83,62.54 v1(54.43,63.94) ; v1(92.56,62.55) 92.58,62.57 v1(92.58,68.69) ; v1(130.98,126.84) 130.96,126.86 v1(130.96,133.04) ; v1(32.28,57.78) v1(32.28,63.94) ; v1(150.66,85.42) 150.66,79.24 v1(150.68,79.21) ; v1(54.86,132.97) 54.86,126.91 v1(54.93,126.84) ; v1(93.26,132.97) v1(93.26,126.84)
  Bottom w0.25: R13.2 204.73,143.37 J4.S1 205.01,143.28 J5.1 ; R13.2 201.53,141.74 ; R13.2 R14.2 ; v1(178.96,117.34) 178.96,116.29 181.56,113.69 v1(183.61,113.69) ; v1(149.51,104.44) v1(149.51,98.26) ; R11.2 173.01,95.34 v1(172.96,95.29) ; v1(111.21,71.14) v1(111.21,64.93) ; ESD_D2.2 201.53,139.62 201.53,141.74 ; v1(118.83,30.87) 113.73,30.87 v1(111.63,32.97) ; R14.2 199.53,143.37 199.43,143.46 J4.S1 196.27,143.37 ; R14.2 199.91,143.37 201.53,141.74 ; v1(143.08,17.57) 142.76,17.57 140.88,19.44 v1(140.88,23.17) ; v1(143.08,17.57) 129.93,17.57 122.53,24.97 v1(122.53,24.99) ; v1(143.08,17.57) 147.16,13.49 151.31,13.49 153.47,15.65 153.47,15.68 v1(153.64,15.85) v1(158.27,20.48) ; v1(168.41,93.49) 168.41,96.84 ; 168.41,96.84 v1(168.41,102.04) 167.06,103.39 167.06,106.94 165.71,108.29 165.71,123.99 v1(162.91,126.79) 164.46,126.79 168.51,130.84 v1(168.51,132.94) ; 168.41,96.84 167.41,95.84 v1(163.01,95.84) ; J1.A12 201.33,112.27 J1.S1 J1.S1 J1.S1 ; v1(73.21,28.22) 73.23,28.24 73.23,28.12 v1(77.66,23.69) ; v1(157.94,132.54) 157.94,126.88 v1(157.91,126.84) ; v1(35.71,133.02) 35.71,126.89 v1(35.76,126.84) ; v1(164.85,57.78) 168.51,61.44 v1(168.51,63.94) ; v1(150.48,67.39) v1(150.48,60.16) ; B_LED1.1 200.68,130.43 200.68,126.55 ; v1(73.11,104.34) v1(73.11,98.65) ; v1(130.41,68.74) v1(130.41,62.55) ; v1(49.71,25.84) v1(54.01,21.54) ; v1(130.51,106.84) 130.61,106.74 v1(130.61,100.65) ; v1(21.11,25.84) v1(21.11,19.68) ; v1(168.61,83.04) 168.61,80.84 v1(164.6,76.83) ; v1(72.98,66.34) 72.98,60.19 v1(73.01,60.16) ; v1(96.76,26.29) v1(92.51,30.54) ; v1(111.61,109.14) v1(111.61,103.03)
  Bottom w0.5: OLED1.4 182.72,99.2 179.11,95.59 174.36,95.59 R11.2
+BATT: length 38.4
  Top w0.2: 196.61,103.34 J3.2 193.52,98.65 179.92,98.65 v1(178.11,96.84) ; C53.1 192.22,106.13
  Top w0.25: U2.3 190.31,107.83 ; 190.31,107.83 C53.1 ; 190.31,107.83 189.81,108.33 U2.2
  Top w0.5: 195.56,102.79 J3.2 ; 195.56,102.79 R3.2 ; 195.56,102.79 192.22,106.13
  Bottom w0.2: v1(178.11,96.84) 176.46,96.84 R10.1
+VSW: length 48.8
  Top w0.2: U2.10 190.31,112.39 v1(190.06,112.64) ; C49.1 177.21,111.65 U1.3 177.17,111.69 v1(179.06,111.69) ; v1(193.81,112.64) 193.81,111.09 192.71,109.99 U2.6 ; v1(190.06,112.64) 189.62,113.08 C52.1 ; v1(190.06,112.64) 189.81,112.39 U2.11 ; v1(190.06,112.64) 190.11,112.69 ; 189.66,115.34 C52.1 ; C52.1 189.81,115.15 ; C52.1 189.62,115.88
  Top w0.25: R1.2 196.66,127.04 195.16,125.54 R2.2 193.38,124.32 v1(189.26,124.32) ; 189.62,115.63 C52.1 189.26,115.7 v1(189.26,116.99)
  Bottom w0.2: v1(179.06,111.69) 189.16,111.69 190.01,112.54 190.01,112.69 v1(190.06,112.64) v1(193.81,112.64)
  Bottom w0.25: v1(189.26,124.32) v1(189.26,116.99)
BLUE_LED: length 10.6
  Top w0.25: v1(198.21,134.29) 198.19,134.3 U3.30
  Bottom w0.25: v1(198.21,134.29) 199.06,135.14 200.31,135.14 R15.1
BT_CHG: length 25.7
  Top w0.2: v1(194.31,130.99) 193.26,130.99 193.24,131 U3.27 ; 190.81,111.74 U2.9 190.81,112.14 192.06,113.39 v1(192.26,113.39)
  Top w0.25: R1.1 196.31,130.59 195.91,130.99 v1(194.31,130.99)
  Bottom w0.2: v1(194.31,130.99) 192.26,128.94 v1(192.26,113.39)
BT_PGOOD: length 25.6
  Top w0.2: v1(193.06,113.39) 193.06,111.39 192.16,110.49 U2.7 ; U3.26 192.11,129.89 v1(194.26,129.89)
  Top w0.25: R2.1 194.31,127.84 194.31,129.84 v1(194.26,129.89)
  Bottom w0.2: v1(193.06,113.39) 193.06,128.69 v1(194.26,129.89)
CS: length 29.6
  Top w0.25: OLED1.5 180.18,118.26 185.34,123.43 U3.19
D+: length 29.1
  Top w0.25: v1(188.16,139.14) 188.16,130.73 190.84,128.05 U3.24
  Bottom w0.25: v1(188.16,139.14) 188.28,139.27 196.73,139.27 199.76,136.24 201.84,136.24 202.31,136.71 ESD_D2.4
D-: length 27.9
  Top w0.25: v1(187.36,140.04) 187.36,130.24 189.74,127.85 U3.23
  Bottom w0.25: ESD_D2.6 197.61,140.04 v1(187.36,140.04)
GREEN_LED: length 12.9
  Top w0.25: U3.29 198.04,133.2 v1(201.76,129.49)
  Bottom w0.25: v1(201.76,129.49) R17.1
LINK+: length 2.7
  Top w0.2: ESD_D1.4 196.16,118.7 v1(196.16,118.84)
  Bottom w0.2: v1(196.16,118.84) JP2.2
LINK-: length 2.5
  Top w0.2: ESD_D1.6 196.11,115.25 v1(196.11,115.14)
  Bottom w0.2: v1(196.11,115.14) JP1.2
MOSI: length 31.5
  Top w0.25: U3.17 183.06,127.22 v1(183.06,122.64) ; v1(182.16,117.74) 182.16,107.64 189.97,99.83 OLED1.1
  Bottom w0.25: v1(183.06,122.64) 183.06,118.64 v1(182.16,117.74)
R_COL1: length 146.1
  Top w0.25: v1(171.81,139.59) 171.67,139.73 SW8.1 171.67,138.58 177.04,133.2 U3.9 ; SW8.1 171.35,139.78 ; v1(168.56,10.09) 168.47,10 SW48.1
  Bottom w0.25: v1(168.56,10.09) 171.45,12.99 171.45,15.55 ; 171.45,15.55 SW48.1 ; 171.45,15.55 171.45,51.46 v1(171.67,51.67) v1(171.67,70.72) v1(171.67,89.77) v1(171.67,108.82) 171.81,108.96 v1(171.81,139.59) 171.81,139.57
R_COL2: length 164.5
  Top w0.25: v1(152.56,139.59) 152.62,139.65 SW7.1 152.62,140.25 157.41,145.04 169.81,145.04 173.81,141.04 173.81,137.47 177.06,134.22 178.56,134.22 178.59,134.25 U3.8 ; SW47.1 150.04,15.07 v1(150.06,15.09) ; v1(152.81,53.84) 152.62,54.03 SW39.1
  Bottom w0.25: 152.81,20.54 v1(152.81,53.84) 152.81,72.92 v1(152.62,73.11) v1(152.62,92.16) v1(152.62,111.21) 152.62,139.53 v1(152.56,139.59) 152.56,139.64 ; 152.81,20.54 152.81,17.84 v1(150.06,15.09) ; 152.81,20.54 SW47.1
R_COL3: length 174.1
  Top w0.25: SW14.1 133.56,113.59 v1(133.56,113.59) ; v1(174.51,137.74) 176.84,135.4 U3.7
  Bottom w0.25: v1(174.51,137.74) 174.51,137.78 166.79,145.5 139.28,145.5 v1(133.57,139.78) ; v1(133.57,139.78) 133.56,139.77 v1(133.56,113.59) 133.56,94.55 v1(133.57,94.54) v1(133.57,75.49) v1(133.57,56.44) 133.57,24.8 ; v1(133.57,139.78) 133.57,139.78 ; 133.57,24.8 SW46.1 ; 133.57,24.8 133.57,22.29 v1(131.35,20.07)
R_COL4: length 171.1
  Top w0.25: v1(114.31,58.84) 114.33,58.82 SW37.1 ; v1(175.71,137.64) 176.84,136.5 U3.6 ; v1(114.56,77.84) 114.53,77.87 SW29.1
  Bottom w0.25: v1(175.71,137.64) 167.4,145.95 120.68,145.95 v1(114.52,139.78) v1(114.52,115.97) v1(114.52,96.92) 114.56,96.88 v1(114.56,77.84) 114.56,59.09 v1(114.31,58.84) 114.56,58.59 114.56,39.81 v1(114.52,39.77)
R_COL5: length 193.2
  Top w0.25: v1(95.31,139.84) 95.37,139.78 SW4.1 ; 178.58,137.59 U3.5 176.74,137.6 v1(175.56,138.79) ; SW44.1 95.35,37.39 v1(95.31,37.34)
  Bottom w0.25: 95.31,37.84 v1(95.31,37.34) 95.47,37.5 v1(95.47,56.44) v1(95.47,75.49) v1(95.47,94.54) v1(95.47,113.59) 95.31,113.75 v1(95.31,139.84) 101.86,146.4 167.95,146.4 v1(175.56,138.79)
R_COL6: length 213.6
  Top w0.25: U3.4 178.56,138.74 176.71,138.74 v1(176.66,138.79) ; v1(76.31,139.84) 76.37,139.78 SW3.1
  Bottom w0.25: v1(76.42,35.01) v1(76.42,54.06) v1(76.42,73.11) v1(76.42,92.16) v1(76.42,111.21) 76.31,111.32 v1(76.31,139.84) 83.32,146.85 168.6,146.85 v1(176.66,138.79)
